# KiCad board Breadboard_power_supply.kicad_pcb (continued)
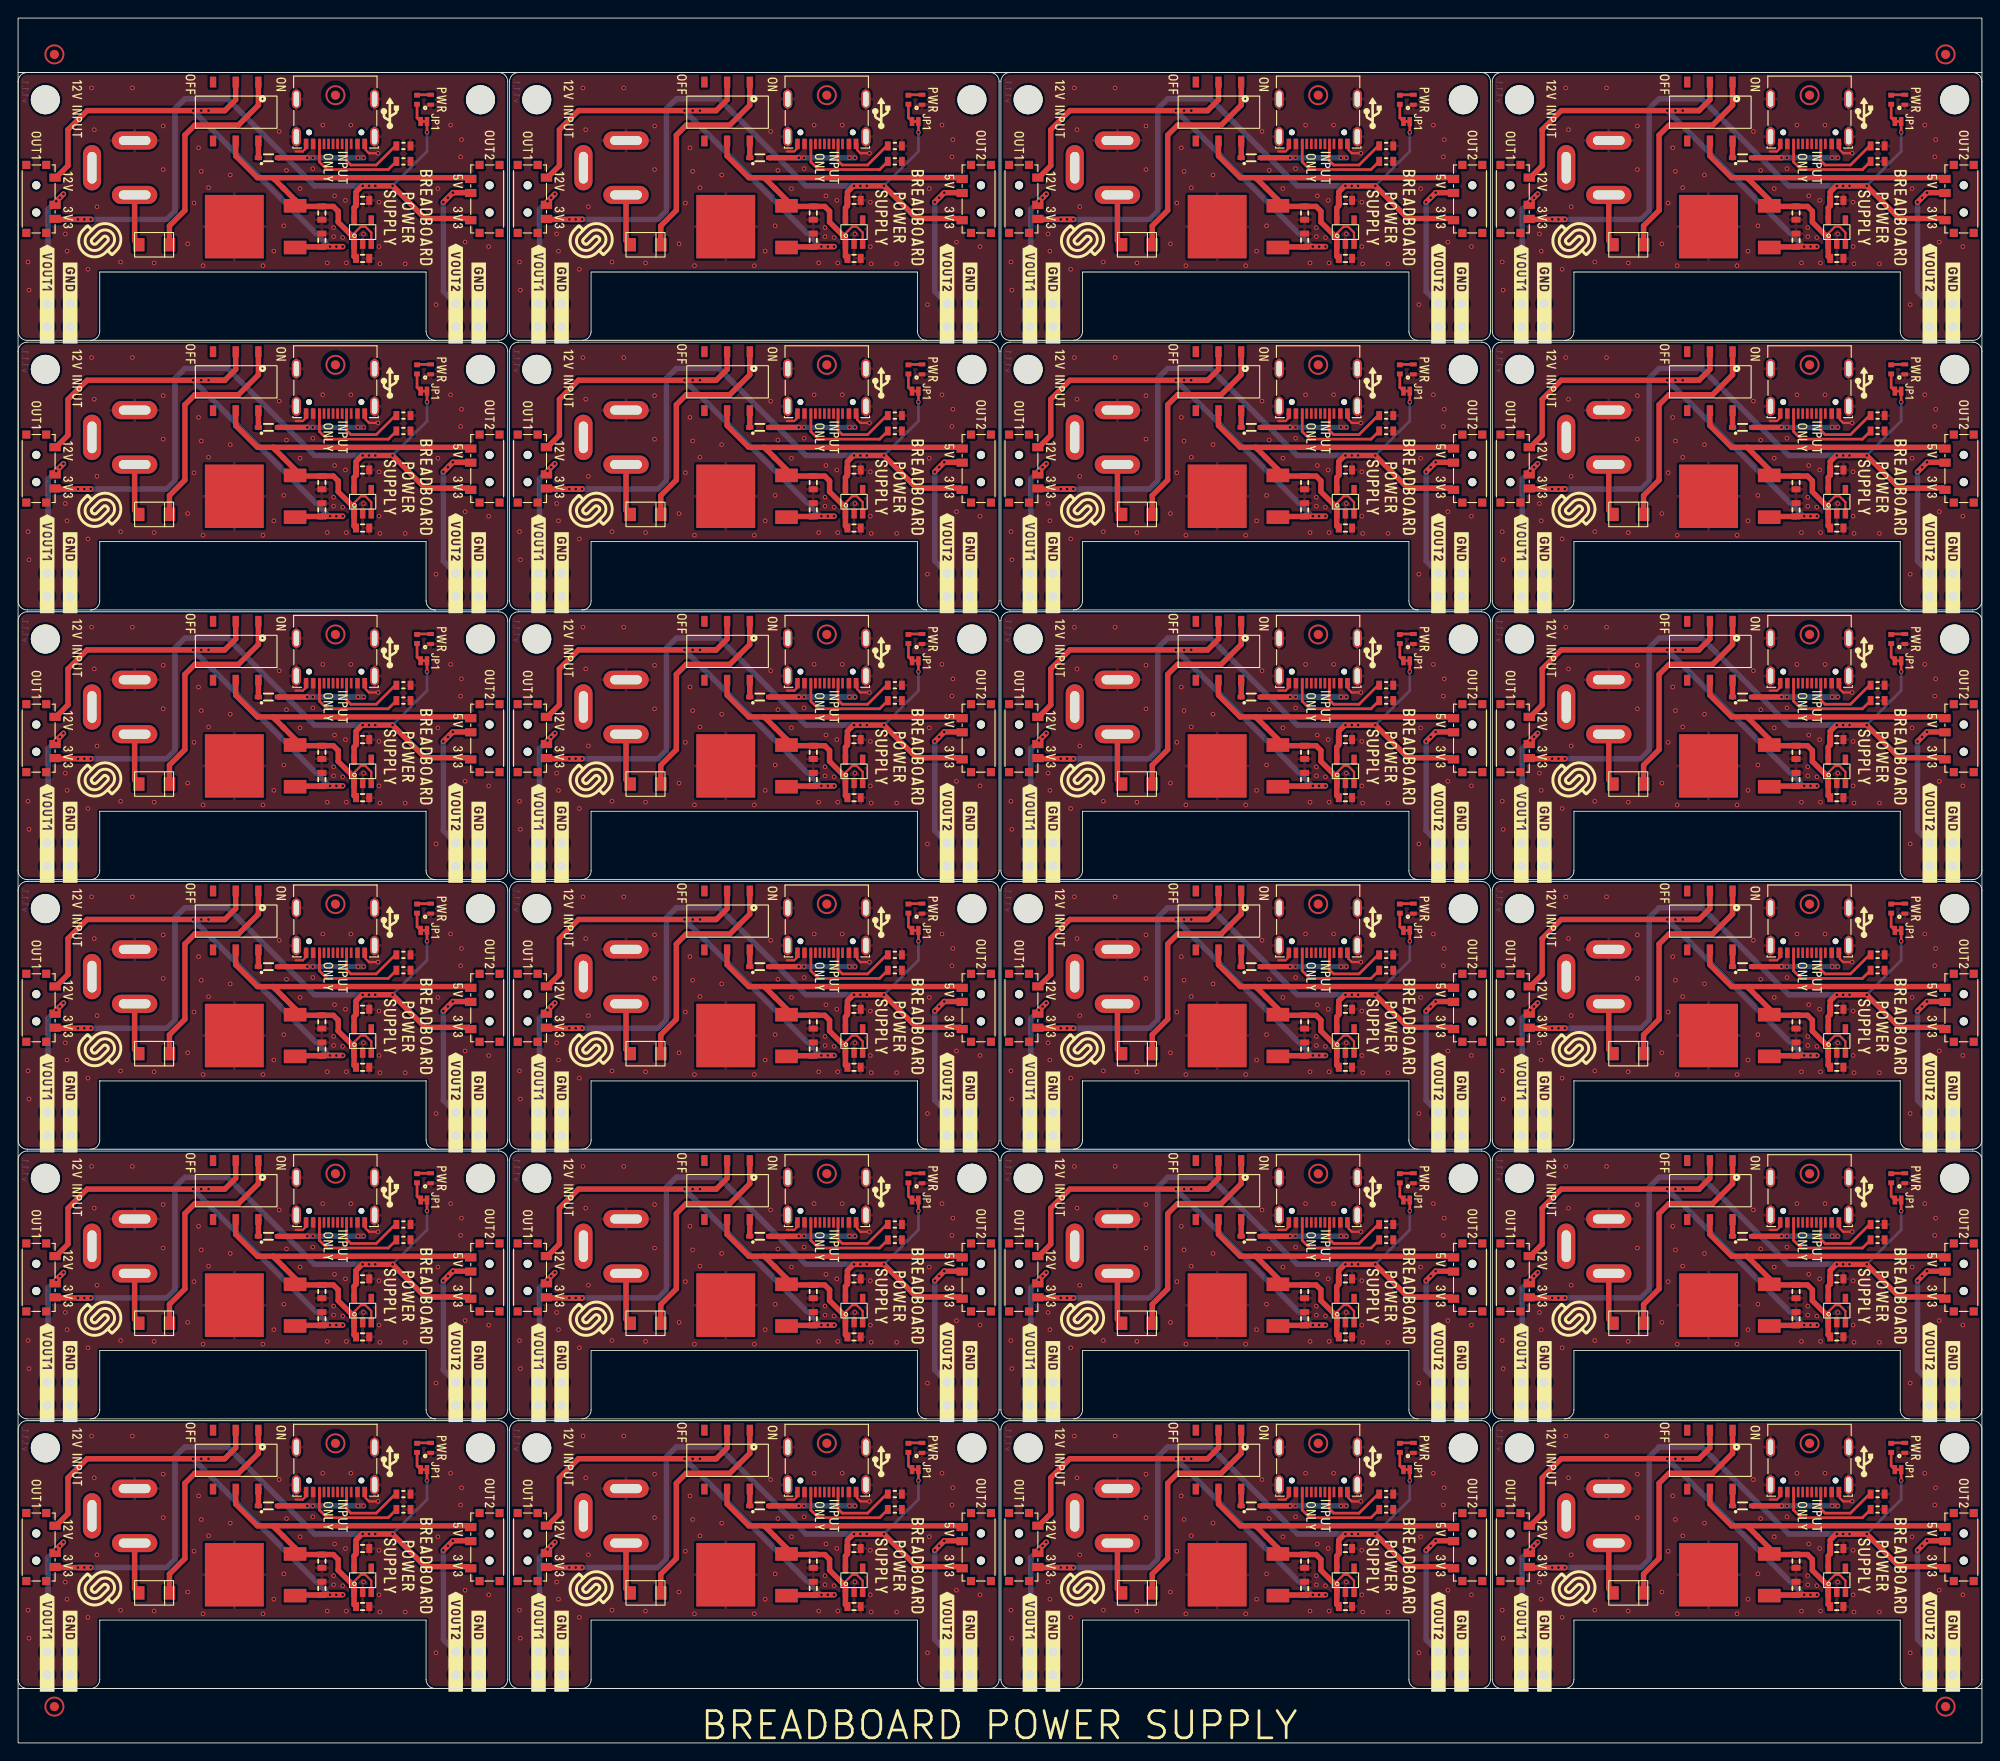
[diagram p0: board, top side]
## Routing (per net, layer and track width the routed paths; a pad name or vN(x,y) marks a point on that pad's centre or on a via; arc(x,y) is an arc through that point) (continued)
GND: length 93.8
  Top w0.25: v1(93.9,86.12) 92.9,86.12 92.54,86.48 K1#2.A1 ; 193.2,86.32 194,86.32 194.26,86.58 K1#13.A12 ; K1#17.A12 85.86,175.8 85.6,175.54 84.8,175.54 ; 193.2,56.58 194,56.58 194.26,56.84 K1#4.A12 ; K1#22.A1 146.74,56.74 147.1,56.38 v1(148.1,56.38) ; K1#21.A12 140.06,116.32 139.8,116.06 139,116.06 ; K1#3.A12 31.66,175.8 31.4,175.54 30.6,175.54 ; K1#21.A1 146.74,116.22 147.1,115.86 v1(148.1,115.86) ; v1(93.9,115.86) 92.9,115.86 92.54,116.22 K1#12.A1 ; 30.6,145.8 31.4,145.8 31.66,146.06 K1#11.A12 ; v1(202.3,145.6) 201.3,145.6 200.94,145.96 K1.A1 ; K1#10.A12 194.26,27.1 194,26.84 193.2,26.84 ; K1#8.A1 92.54,145.96 92.9,145.6 v1(93.9,145.6) ; 139,56.58 139.8,56.58 140.06,56.84 K1#22.A12 ; 84.8,86.32 85.6,86.32 85.86,86.58 K1#2.A12 ; K1#24.A1 146.74,175.7 147.1,175.34 v1(148.1,175.34) ; 30.6,56.58 31.4,56.58 31.66,56.84 K1#14.A12 ; v1(93.9,175.34) 92.9,175.34 92.54,175.7 K1#17.A1 ; 139,86.32 139.8,86.32 140.06,86.58 K1#15.A12 ; 84.8,56.58 85.6,56.58 85.86,56.84 K1#16.A12 ; K1#24.A12 140.06,175.8 139.8,175.54 139,175.54 ; 84.8,26.84 85.6,26.84 85.86,27.1 K1#23.A12 ; 193.2,145.8 194,145.8 194.26,146.06 K1.A12 ; v1(202.3,115.86) 201.3,115.86 200.94,116.22 K1#7.A1 ; K1#3.A1 38.34,175.7 38.7,175.34 v1(39.7,175.34) ; v1(148.1,145.6) 147.1,145.6 146.74,145.96 K1#20.A1 ; 139,145.8 139.8,145.8 140.06,146.06 K1#20.A12 ; K1#14.A1 38.34,56.74 38.7,56.38 v1(39.7,56.38) ; 30.6,116.06 31.4,116.06 31.66,116.32 K1#9.A12 ; K1#12.A12 85.86,116.32 85.6,116.06 84.8,116.06 ; K1#6.A1 200.94,175.7 201.3,175.34 v1(202.3,175.34) ; K1#9.A1 38.34,116.22 38.7,115.86 v1(39.7,115.86) ; v1(148.1,86.12) 147.1,86.12 146.74,86.48 K1#15.A1 ; v1(39.7,86.12) 38.7,86.12 38.34,86.48 K1#19.A1 ; v1(202.3,56.38) 201.3,56.38 200.94,56.74 K1#4.A1 ; v1(148.1,26.64) 147.1,26.64 146.74,27 K1#5.A1 ; K1#19.A12 31.66,86.58 31.4,86.32 30.6,86.32 ; K1#8.A12 85.86,146.06 85.6,145.8 84.8,145.8 ; K1#7.A12 194.26,116.32 194,116.06 193.2,116.06 ; K1#16.A1 92.54,56.74 92.9,56.38 v1(93.9,56.38) ; K1#13.A1 200.94,86.48 201.3,86.12 v1(202.3,86.12) ; K1#18.A12 31.66,27.1 31.4,26.84 30.6,26.84 ; K1#6.A12 194.26,175.8 194,175.54 193.2,175.54 ; K1#11.A1 38.34,145.96 38.7,145.6 v1(39.7,145.6) ; K1#5.A12 140.06,27.1 139.8,26.84 139,26.84 ; K1#18.A1 38.34,27 38.7,26.64 v1(39.7,26.64) ; v1(202.3,26.64) 201.3,26.64 200.94,27 K1#10.A1 ; v1(93.9,26.64) 92.9,26.64 92.54,27 K1#23.A1
  vias: v1(1.1,163.34) v1(1.1,133.6) v1(1.1,103.86) v1(1.1,74.12) v1(1.1,44.38) v1(1.1,14.64) v1(1.2,160.24) v1(1.2,130.5) v1(1.2,100.76) v1(1.2,71.02) v1(1.2,41.28) v1(1.2,11.54) v1(5.2,166.44) v1(5.2,136.7) v1(5.2,106.96) v1(5.2,77.22) v1(5.2,47.48) v1(5.2,17.74) v1(5.4,164.54) v1(5.4,134.8) v1(5.4,105.06) v1(5.4,75.32) v1(5.4,45.58) v1(5.4,15.84) v1(7.7,162.54) v1(7.7,132.8) v1(7.7,103.06) v1(7.7,73.32) v1(7.7,43.58) v1(7.7,13.84) v1(8.1,182.54) v1(8.1,152.8) v1(8.1,123.06) v1(8.1,93.32) v1(8.1,63.58) v1(8.1,33.84) v1(8.4,177.94) v1(8.4,148.2) v1(8.4,118.46) v1(8.4,88.72) v1(8.4,58.98) v1(8.4,29.24) v1(8.7,169.44) v1(8.7,139.7) v1(8.7,109.96) v1(8.7,80.22) v1(8.7,50.48) v1(8.7,20.74) v1(11.3,163.34) v1(11.3,133.6) v1(11.3,103.86) v1(11.3,74.12) v1(11.3,44.38) v1(11.3,14.64) v1(12.6,182.54) v1(12.6,152.8) v1(12.6,123.06) v1(12.6,93.32) v1(12.6,63.58) v1(12.6,33.84) v1(15,163.24) v1(15,133.5) v1(15,103.76) v1(15,74.02) v1(15,44.28) v1(15,14.54) v1(16,178.34) v1(16,173.54) v1(16,148.6) v1(16,143.8) v1(16,118.86) v1(16,114.06) v1(16,89.12) v1(16,84.32) v1(16,59.38) v1(16,54.58) v1(16,29.64) v1(16,24.84) v1(18.7,165.34) v1(18.7,135.6) v1(18.7,105.86) v1(18.7,76.12) v1(18.7,46.38) v1(18.7,16.64) v1(19.4,169.84) v1(19.4,140.1) v1(19.4,110.36) v1(19.4,80.62) v1(19.4,50.88) v1(19.4,21.14) v1(19.9,175.94) v1(19.9,146.2) v1(19.9,116.46) v1(19.9,86.72) v1(19.9,56.98) v1(19.9,27.24) v1(20.2,173.34) v1(20.2,143.6) v1(20.2,113.86) v1(20.2,84.12) v1(20.2,54.38) v1(20.2,24.64) v1(20.4,162.94) v1(20.4,133.2) v1(20.4,103.46) v1(20.4,73.72) v1(20.4,43.98) v1(20.4,14.24) v1(21,171.54) v1(21,141.8) v1(21,112.06) v1(21,82.32) v1(21,52.58) v1(21,22.84) v1(23.4,172.94) v1(23.4,143.2) v1(23.4,113.46) v1(23.4,83.72) v1(23.4,53.98) v1(23.4,24.24) v1(27,162.94) v1(27,133.2) v1(27,103.46) v1(27,73.72) v1(27,43.98) v1(27,14.24) v1(28.2,164.54) v1(28.2,134.8) v1(28.2,105.06) v1(28.2,75.32) v1(28.2,45.58) v1(28.2,15.84) v1(28.8,177.74) v1(28.8,148) v1(28.8,118.26) v1(28.8,88.52) v1(28.8,58.78) v1(28.8,29.04) v1(29.3,167.34) v1(29.3,137.6) v1(29.3,107.86) v1(29.3,78.12) v1(29.3,48.38) v1(29.3,18.64) v1(29.6,173.44) v1(29.6,143.7) v1(29.6,113.96) v1(29.6,84.22) v1(29.6,54.48) v1(29.6,24.74) v1(31.1,171.44) v1(31.1,141.7) v1(31.1,111.96) v1(31.1,82.22) v1(31.1,52.48) v1(31.1,22.74) v1(32.5,173.64) v1(32.5,143.9) v1(32.5,114.16) v1(32.5,84.42) v1(32.5,54.68) v1(32.5,24.94) v1(33.6,178.44) v1(33.6,148.7) v1(33.6,118.96) v1(33.6,89.22) v1(33.6,59.48) v1(33.6,29.74) v1(34.1,163.24) v1(34.1,133.5) v1(34.1,103.76) v1(34.1,74.02) v1(34.1,44.28) v1(34.1,14.54) v1(34.8,167.14) v1(34.8,166.14) v1(34.8,137.4) v1(34.8,136.4) v1(34.8,107.66) v1(34.8,106.66) v1(34.8,77.92) v1(34.8,76.92) v1(34.8,48.18) v1(34.8,47.18) v1(34.8,18.44) v1(34.8,17.44) v1(34.9,170.64) v1(34.9,140.9) v1(34.9,111.16) v1(34.9,81.42) v1(34.9,51.68) v1(34.9,21.94) v1(35.8,166.04) v1(35.8,136.3) v1(35.8,106.56) v1(35.8,76.82) v1(35.8,47.08) v1(35.8,17.34) v1(36.1,170.14) v1(36.1,140.4) v1(36.1,110.66) v1(36.1,80.92) v1(36.1,51.18) v1(36.1,21.44) v1(36.2,163.24) v1(36.2,133.5) v1(36.2,103.76) v1(36.2,74.02) v1(36.2,44.28) v1(36.2,14.54) v1(36.7,178.44) v1(36.7,148.7) v1(36.7,118.96) v1(36.7,89.22) v1(36.7,59.48) v1(36.7,29.74) v1(38.1,166.44) v1(38.1,136.7) v1(38.1,106.96) v1(38.1,77.22) v1(38.1,47.48) v1(38.1,17.74) v1(39.8,169.94) v1(39.8,165.04) v1(39.8,140.2) v1(39.8,135.3) v1(39.8,110.46) v1(39.8,105.56) v1(39.8,80.72) v1(39.8,75.82) v1(39.8,50.98) v1(39.8,46.08) v1(39.8,21.24) v1(39.8,16.34) v1(39.9,163.14) v1(39.9,133.4) v1(39.9,103.66) v1(39.9,73.92) v1(39.9,44.18) v1(39.9,14.44) v1(42.7,163.14) v1(42.7,133.4) v1(42.7,103.66) v1(42.7,73.92) v1(42.7,44.18) v1(42.7,14.44) v1(46.1,158.64) v1(46.1,128.9) v1(46.1,99.16) v1(46.1,69.42) v1(46.1,39.68) v1(46.1,9.94) v1(46.3,171.44) v1(46.3,141.7) v1(46.3,111.96) v1(46.3,82.22) v1(46.3,52.48) v1(46.3,22.74) v1(47.7,178.44) v1(47.7,148.7) v1(47.7,118.96) v1(47.7,89.22) v1(47.7,59.48) v1(47.7,29.74) v1(48.8,174.94) v1(48.8,145.2) v1(48.8,115.46) v1(48.8,85.72) v1(48.8,55.98) v1(48.8,26.24) v1(48.9,176.84) v1(48.9,147.1) v1(48.9,117.36) v1(48.9,87.62) v1(48.9,57.88) v1(48.9,28.14) v1(49.3,165.54) v1(49.3,135.8) v1(49.3,106.06) v1(49.3,76.32) v1(49.3,46.58) v1(49.3,16.84) v1(51.9,165.04) v1(51.9,135.3) v1(51.9,105.56) v1(51.9,75.82) v1(51.9,46.08) v1(51.9,16.34) v1(55.3,163.34) v1(55.3,133.6) v1(55.3,103.86) v1(55.3,74.12) v1(55.3,44.38) v1(55.3,14.64) v1(55.4,160.24) v1(55.4,130.5) v1(55.4,100.76) v1(55.4,71.02) v1(55.4,41.28) v1(55.4,11.54) v1(59.4,166.44) v1(59.4,136.7) v1(59.4,106.96) v1(59.4,77.22) v1(59.4,47.48) v1(59.4,17.74) v1(59.6,164.54) v1(59.6,134.8) v1(59.6,105.06) v1(59.6,75.32) v1(59.6,45.58) v1(59.6,15.84) v1(61.9,162.54) v1(61.9,132.8) v1(61.9,103.06) v1(61.9,73.32) v1(61.9,43.58) v1(61.9,13.84) v1(62.3,182.54) v1(62.3,152.8) v1(62.3,123.06) v1(62.3,93.32) v1(62.3,63.58) v1(62.3,33.84) v1(62.6,177.94) v1(62.6,148.2) v1(62.6,118.46) v1(62.6,88.72) v1(62.6,58.98) v1(62.6,29.24) v1(62.9,169.44) v1(62.9,139.7) v1(62.9,109.96) v1(62.9,80.22) v1(62.9,50.48) v1(62.9,20.74) v1(65.5,163.34) v1(65.5,133.6) v1(65.5,103.86) v1(65.5,74.12) v1(65.5,44.38) v1(65.5,14.64) v1(66.8,182.54) v1(66.8,152.8) v1(66.8,123.06) v1(66.8,93.32) v1(66.8,63.58) v1(66.8,33.84) v1(69.2,163.24) v1(69.2,133.5) v1(69.2,103.76) v1(69.2,74.02) v1(69.2,44.28) v1(69.2,14.54) v1(70.2,178.34) v1(70.2,173.54) v1(70.2,148.6) v1(70.2,143.8) v1(70.2,118.86) v1(70.2,114.06) v1(70.2,89.12) v1(70.2,84.32) v1(70.2,59.38) v1(70.2,54.58) v1(70.2,29.64) v1(70.2,24.84) v1(72.9,165.34) v1(72.9,135.6) v1(72.9,105.86) v1(72.9,76.12) v1(72.9,46.38) v1(72.9,16.64) v1(73.6,169.84) v1(73.6,140.1) v1(73.6,110.36) v1(73.6,80.62) v1(73.6,50.88) v1(73.6,21.14) v1(74.1,175.94) v1(74.1,146.2) v1(74.1,116.46) v1(74.1,86.72) v1(74.1,56.98) v1(74.1,27.24) v1(74.4,173.34) v1(74.4,143.6) v1(74.4,113.86) v1(74.4,84.12) v1(74.4,54.38) v1(74.4,24.64) v1(74.6,162.94) v1(74.6,133.2) v1(74.6,103.46) v1(74.6,73.72) v1(74.6,43.98) v1(74.6,14.24) v1(75.2,171.54) v1(75.2,141.8) v1(75.2,112.06) v1(75.2,82.32) v1(75.2,52.58) v1(75.2,22.84) v1(77.6,172.94) v1(77.6,143.2) v1(77.6,113.46) v1(77.6,83.72) v1(77.6,53.98) v1(77.6,24.24) v1(81.2,162.94) v1(81.2,133.2) v1(81.2,103.46) v1(81.2,73.72) v1(81.2,43.98) v1(81.2,14.24) v1(82.4,164.54) v1(82.4,134.8) v1(82.4,105.06) v1(82.4,75.32) v1(82.4,45.58) v1(82.4,15.84) v1(83,177.74) v1(83,148) v1(83,118.26) v1(83,88.52) v1(83,58.78) v1(83,29.04) v1(83.5,167.34) v1(83.5,137.6) v1(83.5,107.86) v1(83.5,78.12) v1(83.5,48.38) v1(83.5,18.64) v1(83.8,173.44) v1(83.8,143.7) v1(83.8,113.96) v1(83.8,84.22) v1(83.8,54.48) v1(83.8,24.74) v1(85.3,171.44) v1(85.3,141.7) v1(85.3,111.96) v1(85.3,82.22) v1(85.3,52.48) v1(85.3,22.74) v1(86.7,173.64) v1(86.7,143.9) v1(86.7,114.16) v1(86.7,84.42) v1(86.7,54.68) v1(86.7,24.94) v1(87.8,178.44) v1(87.8,148.7) v1(87.8,118.96) v1(87.8,89.22) v1(87.8,59.48) v1(87.8,29.74) v1(88.3,163.24) v1(88.3,133.5) v1(88.3,103.76) v1(88.3,74.02) v1(88.3,44.28) v1(88.3,14.54) v1(89,167.14) v1(89,166.14) v1(89,137.4) v1(89,136.4) v1(89,107.66) v1(89,106.66) v1(89,77.92) v1(89,76.92) v1(89,48.18) v1(89,47.18) v1(89,18.44) v1(89,17.44) v1(89.1,170.64) v1(89.1,140.9) v1(89.1,111.16) v1(89.1,81.42) v1(89.1,51.68) v1(89.1,21.94) v1(90,166.04) v1(90,136.3) v1(90,106.56) v1(90,76.82) v1(90,47.08) v1(90,17.34) v1(90.3,170.14) v1(90.3,140.4) v1(90.3,110.66) v1(90.3,80.92) v1(90.3,51.18) v1(90.3,21.44) v1(90.4,163.24) v1(90.4,133.5) v1(90.4,103.76) v1(90.4,74.02) v1(90.4,44.28) v1(90.4,14.54) v1(90.9,178.44) v1(90.9,148.7) v1(90.9,118.96) v1(90.9,89.22) v1(90.9,59.48) v1(90.9,29.74) v1(92.3,166.44) v1(92.3,136.7) v1(92.3,106.96) v1(92.3,77.22) v1(92.3,47.48) v1(92.3,17.74) v1(94,169.94) v1(94,165.04) v1(94,140.2) v1(94,135.3) v1(94,110.46) v1(94,105.56) v1(94,80.72) v1(94,75.82) v1(94,50.98) v1(94,46.08) v1(94,21.24) v1(94,16.34) v1(94.1,163.14) v1(94.1,133.4) v1(94.1,103.66) v1(94.1,73.92) v1(94.1,44.18) v1(94.1,14.44) v1(96.9,163.14) v1(96.9,133.4) v1(96.9,103.66) v1(96.9,73.92) v1(96.9,44.18) v1(96.9,14.44) v1(100.3,158.64) v1(100.3,128.9) v1(100.3,99.16) v1(100.3,69.42) v1(100.3,39.68) v1(100.3,9.94) v1(100.5,171.44) v1(100.5,141.7) v1(100.5,111.96) v1(100.5,82.22) v1(100.5,52.48) v1(100.5,22.74) v1(101.9,178.44) v1(101.9,148.7) v1(101.9,118.96) v1(101.9,89.22) v1(101.9,59.48) v1(101.9,29.74) v1(103,174.94) v1(103,145.2) v1(103,115.46) v1(103,85.72) v1(103,55.98) v1(103,26.24) v1(103.1,176.84) v1(103.1,147.1) v1(103.1,117.36) v1(103.1,87.62) v1(103.1,57.88) v1(103.1,28.14) v1(103.5,165.54) v1(103.5,135.8) v1(103.5,106.06) v1(103.5,76.32) v1(103.5,46.58) v1(103.5,16.84) v1(106.1,165.04) v1(106.1,135.3) v1(106.1,105.56) v1(106.1,75.82) v1(106.1,46.08) v1(106.1,16.34) v1(109.5,163.34) v1(109.5,133.6) v1(109.5,103.86) v1(109.5,74.12) v1(109.5,44.38) v1(109.5,14.64) v1(109.6,160.24) v1(109.6,130.5) v1(109.6,100.76) v1(109.6,71.02) v1(109.6,41.28) v1(109.6,11.54) v1(113.6,166.44) v1(113.6,136.7) v1(113.6,106.96) v1(113.6,77.22) v1(113.6,47.48) v1(113.6,17.74) v1(113.8,164.54) v1(113.8,134.8) v1(113.8,105.06) v1(113.8,75.32) v1(113.8,45.58) v1(113.8,15.84) v1(116.1,162.54) v1(116.1,132.8) v1(116.1,103.06) v1(116.1,73.32) v1(116.1,43.58) v1(116.1,13.84) v1(116.5,182.54) v1(116.5,152.8) v1(116.5,123.06) v1(116.5,93.32) v1(116.5,63.58) v1(116.5,33.84) v1(116.8,177.94) v1(116.8,148.2) v1(116.8,118.46) v1(116.8,88.72) v1(116.8,58.98) v1(116.8,29.24) v1(117.1,169.44) v1(117.1,139.7) v1(117.1,109.96) v1(117.1,80.22) v1(117.1,50.48) v1(117.1,20.74) v1(119.7,163.34) v1(119.7,133.6) v1(119.7,103.86) v1(119.7,74.12) v1(119.7,44.38) v1(119.7,14.64) v1(121,182.54) v1(121,152.8) v1(121,123.06) v1(121,93.32) v1(121,63.58) v1(121,33.84) v1(123.4,163.24) v1(123.4,133.5) v1(123.4,103.76) v1(123.4,74.02) v1(123.4,44.28) v1(123.4,14.54) v1(124.4,178.34) v1(124.4,173.54) v1(124.4,148.6) v1(124.4,143.8) v1(124.4,118.86) v1(124.4,114.06) v1(124.4,89.12) v1(124.4,84.32) v1(124.4,59.38) v1(124.4,54.58) v1(124.4,29.64) v1(124.4,24.84) v1(127.1,165.34) v1(127.1,135.6) v1(127.1,105.86) v1(127.1,76.12) v1(127.1,46.38) v1(127.1,16.64) v1(127.8,169.84) v1(127.8,140.1) v1(127.8,110.36) v1(127.8,80.62) v1(127.8,50.88) v1(127.8,21.14) v1(128.3,175.94) v1(128.3,146.2) v1(128.3,116.46) v1(128.3,86.72) v1(128.3,56.98) v1(128.3,27.24) v1(128.6,173.34) v1(128.6,143.6) v1(128.6,113.86) v1(128.6,84.12) v1(128.6,54.38) v1(128.6,24.64) v1(128.8,162.94) v1(128.8,133.2) v1(128.8,103.46) v1(128.8,73.72) v1(128.8,43.98) v1(128.8,14.24) v1(129.4,171.54) v1(129.4,141.8) v1(129.4,112.06) v1(129.4,82.32) v1(129.4,52.58) v1(129.4,22.84) v1(131.8,172.94) v1(131.8,143.2) v1(131.8,113.46) v1(131.8,83.72) v1(131.8,53.98) v1(131.8,24.24) v1(135.4,162.94) v1(135.4,133.2) v1(135.4,103.46) v1(135.4,73.72) v1(135.4,43.98) v1(135.4,14.24) v1(136.6,164.54) v1(136.6,134.8) v1(136.6,105.06) v1(136.6,75.32) v1(136.6,45.58) v1(136.6,15.84) v1(137.2,177.74) v1(137.2,148) v1(137.2,118.26) v1(137.2,88.52) v1(137.2,58.78) v1(137.2,29.04) v1(137.7,167.34) v1(137.7,137.6) v1(137.7,107.86) v1(137.7,78.12) v1(137.7,48.38) v1(137.7,18.64) v1(138,173.44) v1(138,143.7) v1(138,113.96) v1(138,84.22) v1(138,54.48) v1(138,24.74) v1(139.5,171.44) v1(139.5,141.7) v1(139.5,111.96) v1(139.5,82.22) v1(139.5,52.48) v1(139.5,22.74) v1(140.9,173.64) v1(140.9,143.9) v1(140.9,114.16) v1(140.9,84.42) v1(140.9,54.68) v1(140.9,24.94) v1(142,178.44) v1(142,148.7) v1(142,118.96) v1(142,89.22) v1(142,59.48) v1(142,29.74) v1(142.5,163.24) v1(142.5,133.5) v1(142.5,103.76) v1(142.5,74.02) v1(142.5,44.28) v1(142.5,14.54) v1(143.2,167.14) v1(143.2,166.14) v1(143.2,137.4) v1(143.2,136.4) v1(143.2,107.66) v1(143.2,106.66) v1(143.2,77.92) v1(143.2,76.92) v1(143.2,48.18) v1(143.2,47.18) v1(143.2,18.44) v1(143.2,17.44) v1(143.3,170.64) v1(143.3,140.9) v1(143.3,111.16) v1(143.3,81.42) v1(143.3,51.68) v1(143.3,21.94) v1(144.2,166.04) v1(144.2,136.3) v1(144.2,106.56) v1(144.2,76.82) v1(144.2,47.08) v1(144.2,17.34) v1(144.5,170.14) v1(144.5,140.4) v1(144.5,110.66) v1(144.5,80.92) v1(144.5,51.18) v1(144.5,21.44) v1(144.6,163.24) v1(144.6,133.5) v1(144.6,103.76) v1(144.6,74.02) v1(144.6,44.28) v1(144.6,14.54) v1(145.1,178.44) v1(145.1,148.7) v1(145.1,118.96) v1(145.1,89.22) v1(145.1,59.48) v1(145.1,29.74) v1(146.5,166.44) v1(146.5,136.7) v1(146.5,106.96) v1(146.5,77.22) v1(146.5,47.48) v1(146.5,17.74) v1(148.2,169.94) v1(148.2,165.04) v1(148.2,140.2) v1(148.2,135.3) v1(148.2,110.46) v1(148.2,105.56) v1(148.2,80.72) v1(148.2,75.82) v1(148.2,50.98) v1(148.2,46.08) v1(148.2,21.24) v1(148.2,16.34) v1(148.3,163.14) v1(148.3,133.4) v1(148.3,103.66) v1(148.3,73.92) v1(148.3,44.18) v1(148.3,14.44) v1(151.1,163.14) v1(151.1,133.4) v1(151.1,103.66) v1(151.1,73.92) v1(151.1,44.18) v1(151.1,14.44) v1(154.5,158.64) v1(154.5,128.9) v1(154.5,99.16) v1(154.5,69.42) v1(154.5,39.68) v1(154.5,9.94) v1(154.7,171.44) v1(154.7,141.7) v1(154.7,111.96) v1(154.7,82.22) v1(154.7,52.48) v1(154.7,22.74) v1(156.1,178.44) v1(156.1,148.7) v1(156.1,118.96) v1(156.1,89.22) v1(156.1,59.48) v1(156.1,29.74) v1(157.2,174.94) v1(157.2,145.2) v1(157.2,115.46) v1(157.2,85.72) v1(157.2,55.98) v1(157.2,26.24) v1(157.3,176.84) v1(157.3,147.1) v1(157.3,117.36) v1(157.3,87.62) v1(157.3,57.88) v1(157.3,28.14) v1(157.7,165.54) v1(157.7,135.8) v1(157.7,106.06) v1(157.7,76.32) v1(157.7,46.58) v1(157.7,16.84) v1(160.3,165.04) v1(160.3,135.3) v1(160.3,105.56) v1(160.3,75.82) v1(160.3,46.08) v1(160.3,16.34) v1(163.7,163.34) v1(163.7,133.6) v1(163.7,103.86) v1(163.7,74.12) v1(163.7,44.38) v1(163.7,14.64) v1(163.8,160.24) v1(163.8,130.5) v1(163.8,100.76) v1(163.8,71.02) v1(163.8,41.28) v1(163.8,11.54) v1(167.8,166.44) v1(167.8,136.7) v1(167.8,106.96) v1(167.8,77.22) v1(167.8,47.48) v1(167.8,17.74) v1(168,164.54) v1(168,134.8) v1(168,105.06) v1(168,75.32) v1(168,45.58) v1(168,15.84) v1(170.3,162.54) v1(170.3,132.8) v1(170.3,103.06) v1(170.3,73.32) v1(170.3,43.58) v1(170.3,13.84) v1(170.7,182.54) v1(170.7,152.8) v1(170.7,123.06) v1(170.7,93.32) v1(170.7,63.58) v1(170.7,33.84) v1(171,177.94) v1(171,148.2) v1(171,118.46) v1(171,88.72) v1(171,58.98) v1(171,29.24) v1(171.3,169.44) v1(171.3,139.7) v1(171.3,109.96) v1(171.3,80.22) v1(171.3,50.48) v1(171.3,20.74) v1(173.9,163.34) v1(173.9,133.6) v1(173.9,103.86) v1(173.9,74.12) v1(173.9,44.38) v1(173.9,14.64) v1(175.2,182.54) v1(175.2,152.8) v1(175.2,123.06) v1(175.2,93.32) v1(175.2,63.58) v1(175.2,33.84) v1(177.6,163.24) v1(177.6,133.5) v1(177.6,103.76) v1(177.6,74.02) v1(177.6,44.28) v1(177.6,14.54) v1(178.6,178.34) v1(178.6,173.54) v1(178.6,148.6) v1(178.6,143.8) v1(178.6,118.86) v1(178.6,114.06) v1(178.6,89.12) v1(178.6,84.32) v1(178.6,59.38) v1(178.6,54.58) v1(178.6,29.64) v1(178.6,24.84) v1(181.3,165.34) v1(181.3,135.6) v1(181.3,105.86) v1(181.3,76.12) v1(181.3,46.38) v1(181.3,16.64) v1(182,169.84) v1(182,140.1) v1(182,110.36) v1(182,80.62) v1(182,50.88) v1(182,21.14) v1(182.5,175.94) v1(182.5,146.2) v1(182.5,116.46) v1(182.5,86.72) v1(182.5,56.98) v1(182.5,27.24) v1(182.8,173.34) v1(182.8,143.6) v1(182.8,113.86) v1(182.8,84.12) v1(182.8,54.38) v1(182.8,24.64) v1(183,162.94) v1(183,133.2) v1(183,103.46) v1(183,73.72) v1(183,43.98) v1(183,14.24) v1(183.6,171.54) v1(183.6,141.8) v1(183.6,112.06) v1(183.6,82.32) v1(183.6,52.58) v1(183.6,22.84) v1(186,172.94) v1(186,143.2) v1(186,113.46) v1(186,83.72) v1(186,53.98) v1(186,24.24) v1(189.6,162.94) v1(189.6,133.2) v1(189.6,103.46) v1(189.6,73.72) v1(189.6,43.98) v1(189.6,14.24) v1(190.8,164.54) v1(190.8,134.8) v1(190.8,105.06) v1(190.8,75.32) v1(190.8,45.58) v1(190.8,15.84) v1(191.4,177.74) v1(191.4,148) v1(191.4,118.26) v1(191.4,88.52) v1(191.4,58.78) v1(191.4,29.04) v1(191.9,167.34) v1(191.9,137.6) v1(191.9,107.86) v1(191.9,78.12) v1(191.9,48.38) v1(191.9,18.64) v1(192.2,173.44) v1(192.2,143.7) v1(192.2,113.96) v1(192.2,84.22) v1(192.2,54.48) v1(192.2,24.74) v1(193.7,171.44) v1(193.7,141.7) v1(193.7,111.96) v1(193.7,82.22) v1(193.7,52.48) v1(193.7,22.74) v1(195.1,173.64) v1(195.1,143.9) v1(195.1,114.16) v1(195.1,84.42) v1(195.1,54.68) v1(195.1,24.94) v1(196.2,178.44) v1(196.2,148.7) v1(196.2,118.96) v1(196.2,89.22) v1(196.2,59.48) v1(196.2,29.74) v1(196.7,163.24) v1(196.7,133.5) v1(196.7,103.76) v1(196.7,74.02) v1(196.7,44.28) v1(196.7,14.54) v1(197.4,167.14) v1(197.4,166.14) v1(197.4,137.4) v1(197.4,136.4) v1(197.4,107.66) v1(197.4,106.66) v1(197.4,77.92) v1(197.4,76.92) v1(197.4,48.18) v1(197.4,47.18) v1(197.4,18.44) v1(197.4,17.44) v1(197.5,170.64) v1(197.5,140.9) v1(197.5,111.16) v1(197.5,81.42) v1(197.5,51.68) v1(197.5,21.94) v1(198.4,166.04) v1(198.4,136.3) v1(198.4,106.56) v1(198.4,76.82) v1(198.4,47.08) v1(198.4,17.34) v1(198.7,170.14) v1(198.7,140.4) v1(198.7,110.66) v1(198.7,80.92) v1(198.7,51.18) v1(198.7,21.44) v1(198.8,163.24) v1(198.8,133.5) v1(198.8,103.76) v1(198.8,74.02) v1(198.8,44.28) v1(198.8,14.54) v1(199.3,178.44) v1(199.3,148.7) v1(199.3,118.96) v1(199.3,89.22) v1(199.3,59.48) v1(199.3,29.74) v1(200.7,166.44) v1(200.7,136.7) v1(200.7,106.96) v1(200.7,77.22) v1(200.7,47.48) v1(200.7,17.74) v1(202.4,169.94) v1(202.4,165.04) v1(202.4,140.2) v1(202.4,135.3) v1(202.4,110.46) v1(202.4,105.56) v1(202.4,80.72) v1(202.4,75.82) v1(202.4,50.98) v1(202.4,46.08) v1(202.4,21.24) v1(202.4,16.34) v1(202.5,163.14) v1(202.5,133.4) v1(202.5,103.66) v1(202.5,73.92) v1(202.5,44.18) v1(202.5,14.44) v1(205.3,163.14) v1(205.3,133.4) v1(205.3,103.66) v1(205.3,73.92) v1(205.3,44.18) v1(205.3,14.44) v1(208.7,158.64) v1(208.7,128.9) v1(208.7,99.16) v1(208.7,69.42) v1(208.7,39.68) v1(208.7,9.94) v1(208.9,171.44) v1(208.9,141.7) v1(208.9,111.96) v1(208.9,82.22) v1(208.9,52.48) v1(208.9,22.74) v1(210.3,178.44) v1(210.3,148.7) v1(210.3,118.96) v1(210.3,89.22) v1(210.3,59.48) v1(210.3,29.74) v1(211.4,174.94) v1(211.4,145.2) v1(211.4,115.46) v1(211.4,85.72) v1(211.4,55.98) v1(211.4,26.24) v1(211.5,176.84) v1(211.5,147.1) v1(211.5,117.36) v1(211.5,87.62) v1(211.5,57.88) v1(211.5,28.14) v1(211.9,165.54) v1(211.9,135.8) v1(211.9,106.06) v1(211.9,76.32) v1(211.9,46.58) v1(211.9,16.84) v1(214.5,165.04) v1(214.5,135.3) v1(214.5,105.56) v1(214.5,75.82) v1(214.5,46.08) v1(214.5,16.34)
VIN: length 595.8
  Top w0.6: S1#19.1 26.5,31.94 24.3,29.74 19.5,29.74 18.4,28.64 18.4,20.34 16.69,18.63 D2#17.2 ; D2#10.2 70.89,48.37 72.6,50.08 72.6,58.38 73.7,59.48 78.5,59.48 80.7,61.68 S1#6.1 ; S1#12.1 80.7,121.16 78.5,118.96 73.7,118.96 72.6,117.86 72.6,109.56 70.89,107.85 D2#19.2 ; D2#15.2 70.89,78.11 72.6,79.82 72.6,88.12 73.7,89.22 78.5,89.22 80.7,91.42 S1#9.1 ; D2#18.2 125.09,107.85 126.8,109.56 126.8,117.86 127.9,118.96 132.7,118.96 134.9,121.16 S1#7.1 ; S1#17.1 189.1,31.94 186.9,29.74 182.1,29.74 181,28.64 181,20.34 179.29,18.63 D2#24.2 ; D2.2 179.29,167.33 181,169.04 181,177.34 182.1,178.44 186.9,178.44 189.1,180.64 S1#13.1 ; D2#4.2 125.09,48.37 126.8,50.08 126.8,58.38 127.9,59.48 132.7,59.48 134.9,61.68 S1#21.1 ; D2#21.2 179.29,48.37 181,50.08 181,58.38 182.1,59.48 186.9,59.48 189.1,61.68 S1#15.1 ; D2#3.2 16.69,48.37 18.4,50.08 18.4,58.38 19.5,59.48 24.3,59.48 26.5,61.68 S1#23.1 ; D2#13.2 70.89,167.33 72.6,169.04 72.6,177.34 73.7,178.44 78.5,178.44 80.7,180.64 S1#3.1 ; D2#20.2 16.69,167.33 18.4,169.04 18.4,177.34 19.5,178.44 24.3,178.44 26.5,180.64 S1#11.1 ; D2#5.2 179.29,78.11 181,79.82 181,88.12 182.1,89.22 186.9,89.22 189.1,91.42 S1.1 ; S1#24.1 134.9,91.42 132.7,89.22 127.9,89.22 126.8,88.12 126.8,79.82 125.09,78.11 D2#7.2 ; D2#2.2 16.69,107.85 18.4,109.56 18.4,117.86 19.5,118.96 24.3,118.96 26.5,121.16 S1#2.1 ; D2#16.2 16.69,137.59 18.4,139.3 18.4,147.6 19.5,148.7 24.3,148.7 26.5,150.9 S1#5.1 ; S1#22.1 134.9,31.94 132.7,29.74 127.9,29.74 126.8,28.64 126.8,20.34 125.09,18.63 D2#8.2 ; S1#8.1 80.7,31.94 78.5,29.74 73.7,29.74 72.6,28.64 72.6,20.34 70.89,18.63 D2#22.2 ; D2#9.2 70.89,137.59 72.6,139.3 72.6,147.6 73.7,148.7 78.5,148.7 80.7,150.9 S1#10.1 ; S1#4.1 189.1,150.9 186.9,148.7 182.1,148.7 181,147.6 181,139.3 179.29,137.59 D2#14.2 ; D2#12.2 16.69,78.11 18.4,79.82 18.4,88.12 19.5,89.22 24.3,89.22 26.5,91.42 S1#18.1 ; D2#23.2 179.29,107.85 181,109.56 181,117.86 182.1,118.96 186.9,118.96 189.1,121.16 S1#14.1 ; S1#16.1 134.9,150.9 132.7,148.7 127.9,148.7 126.8,147.6 126.8,139.3 125.09,137.59 D2#11.2 ; D2#6.2 125.09,167.33 126.8,169.04 126.8,177.34 127.9,178.44 132.7,178.44 134.9,180.64 S1#20.1
VUSB: length 45.7
  Top w0.6: D1#19.2 S1#10.4 80.75,146.95 ; 134.95,117.21 S1#7.4 D1#8.2 ; D1#7.2 S1#22.4 134.95,27.99 ; 189.15,27.99 S1#17.4 D1#22.2 ; 189.15,57.73 S1#15.4 D1#17.2 ; 26.55,27.99 S1#19.4 D1#14.2 ; 80.75,57.73 S1#6.4 D1#20.2 ; D1#10.2 S1#5.4 26.55,146.95 ; 134.95,57.73 S1#21.4 D1#18.2 ; D1#23.2 S1#9.4 80.75,87.47 ; D1#15.2 S1#2.4 26.55,117.21 ; 80.75,117.21 S1#12.4 D1#13.2 ; D1#4.2 S1#3.4 80.75,176.69 ; D1#24.2 S1#11.4 26.55,176.69 ; D1#11.2 S1.4 189.15,87.47 ; D1#6.2 S1#14.4 189.15,117.21 ; D1#12.2 S1#4.4 189.15,146.95 ; 189.15,176.69 S1#13.4 D1.2 ; D1#21.2 S1#16.4 134.95,146.95 ; D1#9.2 S1#24.4 134.95,87.47 ; D1#3.2 S1#8.4 80.75,27.99 ; D1#16.2 S1#20.4 134.95,176.69 ; 26.55,57.73 S1#23.4 D1#5.2 ; D1#2.2 S1#18.4 26.55,87.47